# KiCad board RF_SWITCH.kicad_pcb
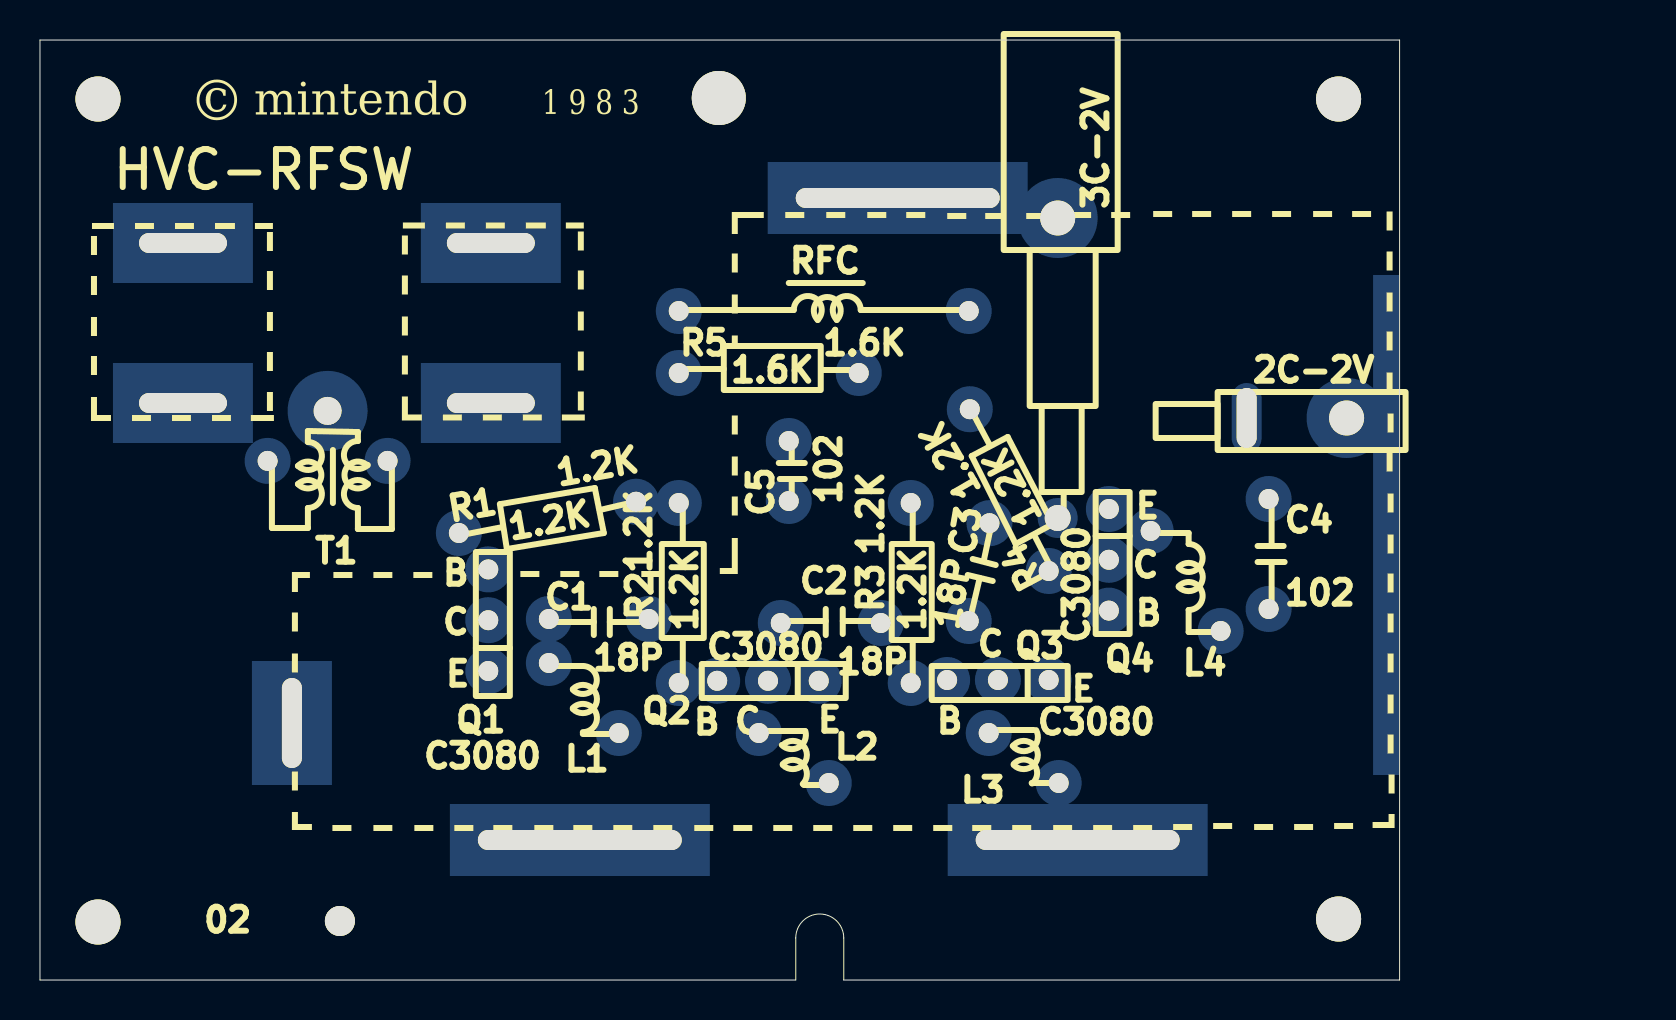
[diagram p0: board, top side]
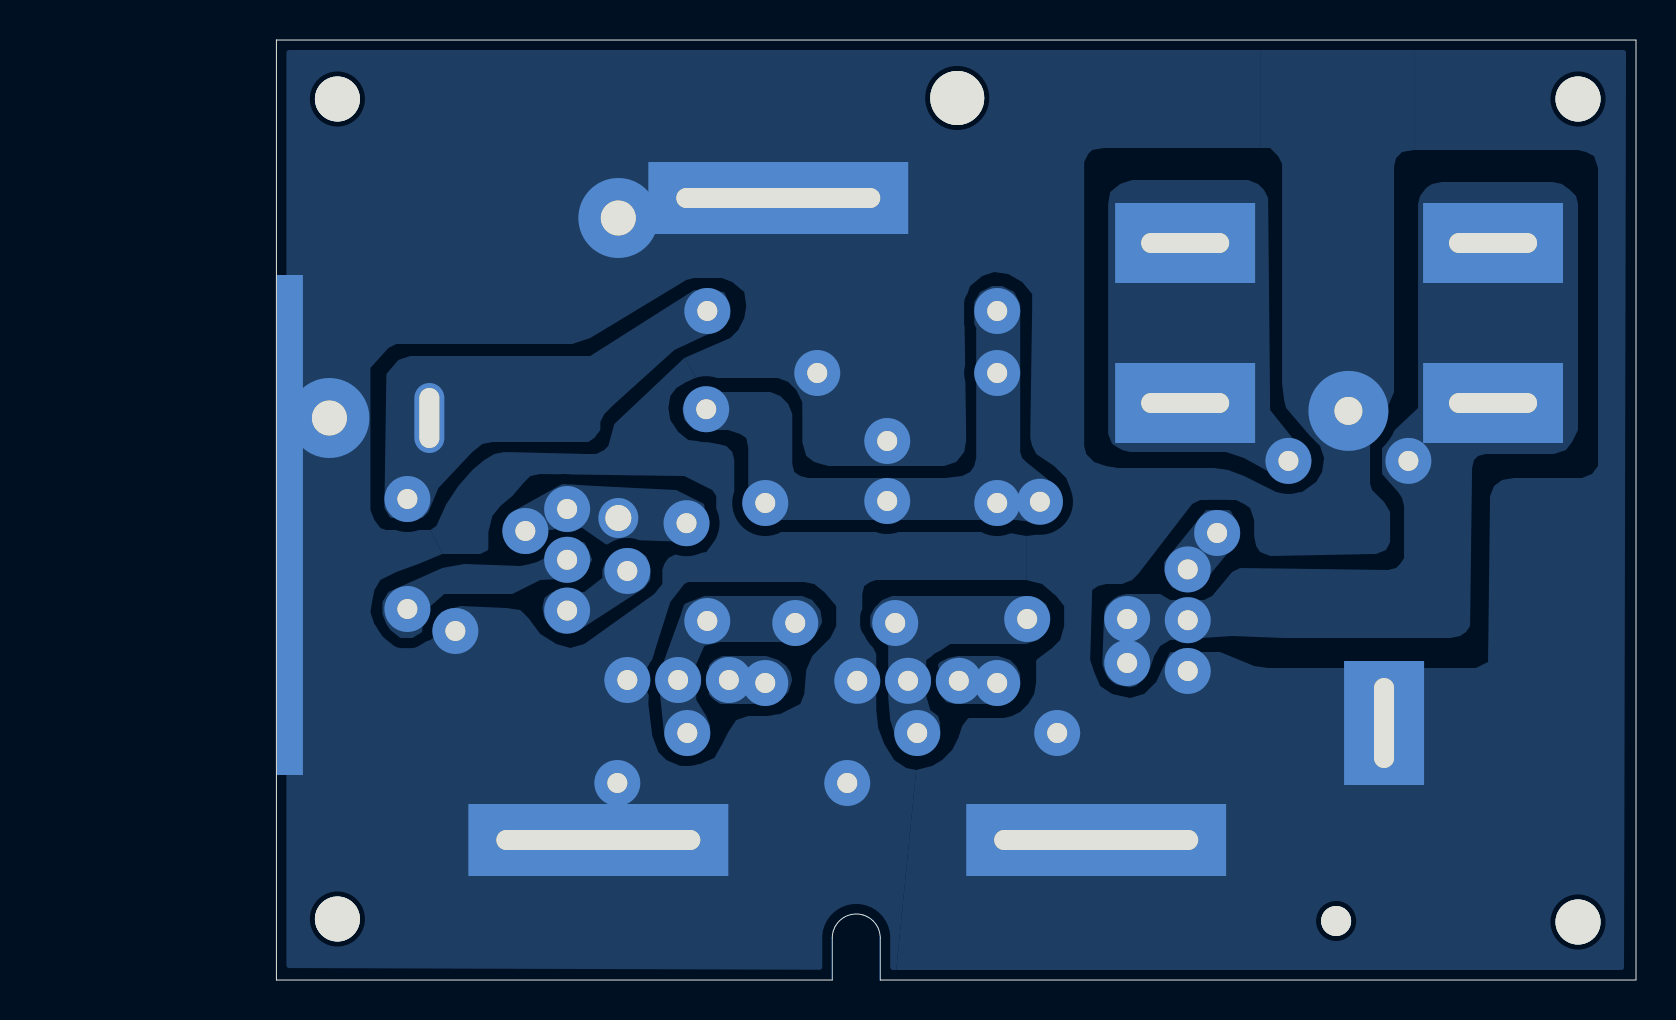
[diagram p1: board, bottom side, seen from below]

Outline 68 x 47 mm; copper layers: Top, Bottom. Coordinates in mm from the lower left corner of the outline.
Outline path: 0,47 68,47 68,0 40.2,0 40.2,2.1 arc(39,3.3) 37.8,2.1 37.8,0 0,0 0,47

## Placement (name value [footprint] x y rotation side)
C1  18pF  [C_5mm]  25.45 18.05 0 top
C2  18pF  [C_5mm]  37.05 17.85 0 top
C3  18pF  [C_5mm]  46.45 17.95 78 top
C4  1000pF  [C_5.5mm]  61.45 24.05 270 top
C5  1000pF  [C_3mm]  37.45 23.95 90 top
H1  2.25mm  [hole_2.25mm]  2.75 43.3 0 top
H2  2.7mm  [hole_2.7mm]  33.95 44.1 0 top
H3  2.25mm  [hole_2.25mm#2]  64.95 44.05 0 top
H4  2.25mm  [hole_2.25mm#2]  2.9 2.9 0 top
H5  1.5mm  [hole_1.5mm]  15 2.95 0 top
H6  2.25mm  [hole_2.25mm#2]  64.95 3.05 0 top
J1  300R_A  [terminal]  7.15 36.85 0 top
J2  300R_B  [terminal]  22.55 36.85 0 top
J3  SHIELD  [shield]  37.1 17 0 top
J4  to TV  [cable_to_tv]  50.9 23.1 90 top
J5  from Console  [cable_to_console]  60.35 28.1 0 top
L1  9 turns  [L_3.5x3.5mm]  25.45 15.85 0 top
L2  7 turns  [L_2.5x3.5mm]  35.95 12.35 0 top
L3  7 turns  [L_2.5x3.5mm]  47.45 12.35 0 top
L4  12 turns  [L_3.5x5mm]  55.55 22.45 0 top
L5  27uH  [RFC_14.5mm]  31.95 33.45 0 top
Q1  2SC3080  [Q_FTR]  22.42 15.45 90 top
Q2  2SC3080  [Q_FTR]  38.95 14.96 180 top
Q3  2SC3080  [Q_FTR]  50.45 15 180 top
Q4  2SC3080  [Q_FTR]  53.46 23.55 270 top
R1  1K2  [R_9mm]  20.95 22.35 10 top
R2  1K2  [R_9mm]  31.95 14.85 90 top
R3  1K2  [R_9mm]  43.55 14.85 90 top
R4  1K2  [R_9mm]  50.45 20.45 116 top
R5  1K6  [R_9mm]  31.95 30.35 0 top
T1  ~  [transformer]  11.39 25.95 0 top

## Library data of the parts
C1-C5 = -: Description: Unpolarized capacitor; ki_fp_filters: C_*
H1-H6 = -: Description: Mounting Hole without connection; ki_fp_filters: MountingHole*
J1-J3 = -: ki_fp_filters: TerminalBlock*:*
J4 = -: Description: coaxial connector (BNC, SMA, SMB, SMC, Cinch/RCA, LEMO, ...); ki_fp_filters: *BNC* *SMA* *SMB* *SMC* *Cinch* *LEMO* *UMRF* *MCX* *U.FL*
J5 = -: Description: RCA plug on 2.5m of coax; ki_fp_filters: *BNC* *SMA* *SMB* *SMC* *Cinch* *LEMO* *UMRF* *MCX* *U.FL*
L1-L4 = -: Description: 3mm ID, 3.8mm OD, 0.4mm wire; ki_fp_filters: Choke_* *Coil* Inductor_* L_*
L5 = -: Description: Inductor with ferrite core; ki_fp_filters: Choke_* *Coil* Inductor_* L_*
Q1-Q4 = -: Description: NPN bipolar transistor, VHF mix oscilator, UHF oscilator
R1-R5 = -: Description: Resistor; ki_fp_filters: R_*

## Footprints (pads in the part's own frame, mm; a bottom-side part is the same pattern mirrored in y, then rotated)
C_3mm
  round 2.3 hole 1: 1(0,0) 2(3,0)
C_5.5mm
  round 2.3 hole 1: 1(0,0) 2(5.5,0)
C_5mm
  round 2.3 hole 1: 1(0,0) 2(5,0)
cable_to_console
  oval 1.5x3.5 hole 1x3: 1(0,0)
  round 4 hole 1.75: 2(5,0)
cable_to_tv
  round 2 hole 1.3: 1(0,0)
  round 4 hole 1.75: 2(15,0)
hole_1.5mm
  round 2.5 hole 1.5 unplated: (0,0)
hole_2.7mm
  round 3.3 hole 2.7 unplated: (0,0)
hole_2.25mm
  round 3.3 hole 2.25 unplated: (0.15,0.75)
hole_2.25mm#2
  round 3.3 hole 2.25 unplated: (0,0)
L_2.5x3.5mm
  round 2.3 hole 1: 1(0,0) 2(3.5,-2.5)
L_3.5x3.5mm
  round 2.3 hole 1: 1(0,0) 2(3.5,-3.5)
L_3.5x5mm
  round 2.3 hole 1: 1(0,0) 2(3.5,-5)
Q_FTR
  round 2.3 hole 1: B(5.08,0) C(2.54,0) E(0,0)
R_9mm
  round 2.3 hole 1: 1(0,0) 2(9,0)
RFC_14.5mm
  round 2.3 hole 1: 1(0,0) 2(14.5,0)
shield
  rect 4x6.2 hole 1x4.5: 1(-24.5,-4.15)
  rect 13x3.6 hole 10.2x1: 1(-10.1,-10) 1(5.8,22.1) 1(14.8,-10)
  rect 1.3x25 smd far side: 1(30.225,5.75)
terminal
  rect 7x4 hole 4.4x1: 1(0,0) 1(0,-8)
transformer
  round 2.3 hole 1: 1(0,0) 2(6,0)
  round 4 hole 1.4: 3(3,2.5)

## Nets
GND: C5.2 J3.1 J4.2 J5.2 L1.2 L2.2 L3.2 L4.2 Q1.E Q2.E Q3.E R5.2 T1.3
Net-(C1-Pad2): C1.2 C2.1 L2.1 Q2.C
Net-(C2-Pad2): C2.2 C3.1 L3.1 Q3.C
Net-(C4-Pad2): C4.2 Q4.C
Net-(C5-Pad1): C5.1 L5.1 R1.2 R2.2 R3.2 R4.2 R5.1
Net-(J1-Pin_1): C1.1 J1.1 L1.1 Q1.C T1.1
Net-(J2-Pin_1): J2.1 T1.2
Net-(J4-In): C3.2 J4.1 L4.1 Q4.E
Net-(J5-In): C4.1 J5.1 L5.2
Net-(Q1-PadB): Q1.B R1.1
Net-(Q2-PadB): Q2.B R2.1
Net-(Q3-PadB): Q3.B R3.1
Net-(Q4-PadB): Q4.B R4.1

## Copper pours and planes (outline as drawn; the poured copper is in the pictures)
GND on Bottom: 30.5,22.2 31.6,22.4 43.7,22.4 44.3,22.6 44.8,22.9 45,23.3 45.1,24 45.1,26 45.2,26.4 45.5,26.7 45.9,26.8 46.5,26.9 47.4,27 47.9,27.4 48.3,28 48.4,28.6 48.3,29.2 48,29.6 47.5,29.9 47,30.1 47.6,31.1 51.1,27.8 51.4,26.7 51.6,26.5 52,26.3 52.5,26.3 56.6,26.4 57.1,26.3 57.6,26 58.2,25.5 58.9,24.7 59.5,23.8 60,22.7 60.3,22.5 59.7,21.3 57.8,21.3 57.4,21.5 57.4,22.4 57.2,23.2 56.8,23.7 56.2,24.2 55.6,24.9 55.3,25.2 54.8,25.3 47.6,25.2 46.2,24.5 46,24.2 46,22.1 46.2,21.8 46.5,21.4 47,21.3 48,21.3 48.4,21.1 48.6,20.8 48.7,20.5 48.7,19.8 47.6,19.8 47.4,19.9 41.6,19.9 41.1,19.8 40.6,19.4 40,18.7 40,17.7 38.7,17.7 38.7,19.3 38.6,19.7 38.3,19.9 38,20 30.5,20
GND on Bottom: 0.5,46.5 0.6,0.5 37,0.5 36,10.5 35.2,10.7 34.7,11 34.2,11.5 33.9,12.1 33.7,12.7 33.4,13.1 31.6,13.1 31.2,13.2 30.8,13.4 30.4,13.8 30.1,14.3 30,14.9 30,16 27.3,16 27.1,15.4 26.8,14.7 26.2,14.3 25.3,14.1 24.6,14.3 24,14.9 23.3,16.4 20.8,16.4 19.1,15.7 18.4,15.6 8,15.6 7.4,15.9 7.3,24.2 7.1,24.7 6.7,25 6.1,25.1 2.7,25.1 2.2,25.3 1.9,25.7 1.9,40.6 2.1,41.2 2.5,41.4 2.9,41.5 11.1,41.5 11.1,46.5
GND on Bottom: 36,10.5 36.5,10.6 37.1,11 37.6,11.8 37.9,12.6 38,13.5 38,16.3 38.7,17.7 40,17.7 40.3,17.1 41.2,16.2 41.5,15.5 41.6,14.3 41.8,13.8 42.8,13.3 43.6,13.2 44.4,13.2 45,13 45.4,12.4 45.7,11.8 46.1,11.1 46.8,10.8 47.8,10.7 48.5,11 48.9,11.4 49.2,12.2 49.4,13.8 49.3,15.7 49,16.7 48.3,18.9 47.6,19.8 48.7,19.8 49.1,19.3 52.6,16.8 53.3,16.6 54,16.8 54.8,17.3 55.4,18.1 55.8,18.5 56.5,18.6 58.8,18.7 59.8,18.4 59.9,17.3 60.3,17 61.2,16.7 62,16.8 62.6,17.1 63.1,17.8 63.3,18.4 63.2,19 63.1,19.5 62.8,20 62,20.4 60.9,20.8 59.7,21.3 60.3,22.5 62.5,22.5 62.8,22.6 63.1,23 63.3,23.5 63.3,30.6 68,30.6 68,0.6 37,0.5
GND on Bottom: 18.8,46.5 67.3,46.5 68,46.9 68,30.6 63.3,30.6 62.4,31.6 62,31.8 53.2,31.8 52.3,32.1 47.5,35 47.1,35.1 45.7,35.1 45.2,34.9 44.6,34.4 44.5,33.7 44.6,33.1 44.9,32.5 45.3,32.1 47.6,31.1 47,30.1 42.9,30.1 42.4,29.9 42,29.5 41.7,28.9 41.7,26.9 41.5,26.2 41.1,25.9 40.4,25.7 34.6,25.7 34,25.9 33.6,26.4 33.5,27 33.6,33.9 33.3,34.7 32.7,35.2 32.1,35.4 31.4,35.3 30.7,34.9 30.2,34.3 30.2,33.7 27.6,33.7 27.6,40.9 27.4,41.3 27.2,41.5 26.6,41.6 18.8,41.6
GND on Bottom: 11.1,46.5 11.1,41.5 11.7,41.4 12,41.1 12.1,40.7 12.1,29.4 12.4,28.7 13.3,26.9 13.3,24.8 13.2,24.5 12.6,23.9 12.3,23.4 12.3,21.9 12.5,21.5 13,21.3 18.3,21.2 18.8,21.4 19,21.7 19.1,22.2 19.1,23 19.3,23.6 19.6,23.8 20,24 21.8,24 22.2,23.8 24.9,20.3 25.2,20 25.7,19.8 26.5,19.8 26.9,19.7 27.2,19.5 27.3,16 30,16 29.2,16.6 28.8,17 28.6,17.7 28.6,18.7 29,19.2 29.7,19.8 30.5,20 30.5,22.2 29.7,22.3 29.1,22.5 28.6,23 28.3,23.7 28.3,24.6 28.5,25.1 29.1,25.7 30,26.3 30.2,26.7 30.3,27.1 30.2,33.7 27.6,33.7 27.6,26.7 27.5,26.3 27.1,25.9 26.5,25.7 25.9,25.6 21.1,25.6 20.4,25.5 19.6,25.2 18,24.4 17.5,24.3 16.7,24.4 16,24.9 15.7,25.4 15.6,26.1 15.8,26.7 16.3,27.2 17.5,28.6 17.6,29 17.7,29.8 17.7,40.8 17.9,41.2 18.3,41.6 18.8,41.6 18.8,46.5
Net-(C1-Pad2) on Bottom: 30.4,19.2 37.2,19.2 37.7,19 38.1,18.6 38.3,18.2 38.3,17.7 37.9,17.1 37.4,16.7 37.4,14.1 37.3,13 36.9,11.7 36.5,11.4 36.1,11.3 35.6,11.4 35.1,11.7 34.8,12.1 34.8,12.8 34.9,13.2 35.3,13.5 35.5,14.2 35.5,16 34.3,16.8 30.5,16.8 29.9,17 29.4,17.6 29.3,18.2 29.5,18.8 30,19.1
Net-(C2-Pad2) on Bottom: 46.6,19.2 47.6,18.8 47.8,18.2 48.6,16 48.9,15.1 48.6,12.2 48.2,11.6 47.8,11.4 47.25,11.4 46.7,11.6 46.4,12.1 46.3,12.7 46.5,13.2 47,14 47,15.8 46.6,16.7 45.8,16.9 42.1,16.9 41.2,17.1 40.9,17.5 40.7,17.9 40.8,18.5 41.2,19 41.7,19.2
Net-(C4-Pad2) on Bottom: 52.8,20.1 54.8,20 56.2,19.3 59.6,19.3 60.4,18.6 60.4,17.9 60.7,17.4 61.2,17.1 61.8,17.1 62.3,17.5 62.5,17.8 62.7,18.3 62.7,18.9 62.4,19.4 59.7,20.6 58.6,20.8 55.8,20.7 55.3,20.8 54.9,21.1 54.1,21.9 52.6,21.9 52.4,21.5 52.2,21
Net-(C5-Pad1) on Bottom: 30.5,25.9 29,24.7 28.8,24.3 28.8,23.8 29,23.5 29.5,23 30.2,22.9 31,23 43.8,23 44.4,23.7 44.4,26.6 44.5,27.1 44.8,27.3 45.4,27.5 47.1,27.5 47.6,28 47.7,28.6 47.3,29.4 46.6,29.5 45.8,29.4 43.3,29.4 42.8,29.2 42.4,28.8 42.2,28.3 42.2,25.8 42.1,25.4 41.8,25.2 41.4,25.1 34.5,25.1 33.7,25.2 33.3,25.4 33.1,25.7 33,26.1 33,32.6 33.1,32.8 33.1,33.9 32.8,34.4 32.2,34.7 31.7,34.7 31.1,34.4 30.8,33.8 30.8,26.4 30.7,26.1
Net-(J1-Pin_1) on Bottom: 2.9,38.8 3,39.2 3.3,39.5 3.7,39.8 4.2,39.9 9.7,39.9 10.2,39.8 10.5,39.6 10.8,39.2 10.9,38.8 10.9,28.6 12.7,26.9 12.7,25.3 11.9,24.4 11.7,24.1 11.6,23.7 11.6,21.1 11.8,20.8 12,20.6 12.4,20.5 19.8,20.6 20.2,20.4 21.2,19.2 21.6,19 23.3,19 23.8,19.3 25.5,19.3 25.9,19.2 26.2,19 26.5,18.7 26.6,18.4 26.7,15.6 26.4,15.1 26,14.7 25.5,14.6 25,14.7 24.6,15.1 24.3,15.6 24.1,16.2 23.8,16.7 23.3,17 20.2,17.2 17.6,17.1 9.3,17.1 8.8,17.2 8.5,17.4 8.3,17.7 8.2,25.6 8.1,26 7.9,26.2 7.5,26.3 4.1,26.3 3.5,26.5 3.2,26.9 2.9,27.5
Net-(J2-Pin_1) on Bottom: 19.4,40 25.2,40 25.8,39.8 26.3,39.4 26.4,38.8 26.4,27.3 26.2,26.8 25.7,26.5 25.3,26.4 20.5,26.4 19.6,26.1 17.8,25.1 17.2,25.1 16.8,25.4 16.5,25.8 16.5,26.2 16.7,26.5 18.3,28.5 18.4,39.1 18.6,39.5 18.9,39.8
Net-(J4-In) on Bottom: 48,24.5 46.6,23.8 46.5,22.3 46.9,22 47.3,21.9 50.2,22 51.4,21.7 52.7,22.6 54.4,22.5 55.2,21.5 55.8,21.4 56.5,21.8 56.7,22.5 56.4,23.3 53.7,24.8 52,24.7
Net-(J5-In) on Bottom: 61.3,31.2 61.9,31 62.5,30.3 62.6,23.6 62.3,23.1 60.7,23.1 60.4,23.4 59.9,24.6 58.2,26.4 57.7,26.8 57.2,26.9 52.4,26.9 52.1,27.1 51.8,27.5 51.8,27.9 51.6,28.3 51.2,28.7 48.1,31.5 46.6,32.2 45.8,32.5 45.3,33.1 45.3,33.7 45.6,34.4 47.1,34.5 52.3,31.2
Net-(Q1-PadB) on Bottom: 20.3,23.5 21.5,23.5 23.6,20.9 23.6,20.4 23.2,19.6 21.7,19.6 21.2,20.4 19.8,22.1 19.8,22.6
Net-(Q2-PadB) on Bottom: 31.9,16.2 33.9,16.2 34.4,16.1 34.8,15.9 34.9,15.8 34.9,14.4 34.5,13.9 34.1,13.8 31.9,13.8 31.4,13.9 31,14.3 30.8,14.7 30.8,15.3 31,15.7 31.3,16
Net-(Q3-PadB) on Bottom: 43.5,16.2 42.9,16 42.5,15.7 42.3,15.4 42.2,15 42.4,14.4 42.7,14.1 43.2,13.8 45.8,13.8 46.1,14 46.5,14.4 46.5,15.6 46.1,16 45.7,16.2
Net-(Q4-PadB) on Bottom: 49.9,21.4 51.5,21 51.7,20.5 51.7,20.1 52.6,19.4 54.2,19.4 54.6,19.1 54.7,18.6 54.6,18.1 54.3,17.7 54,17.4 53.6,17.3 53,17.4 49.6,19.6 49.3,20 49.3,20.6 49.5,21.2

## Text on the board
F.Silkscreen: 02 | T1 | C3080 | B | C | E | Q1 | C1 | L1 | 18P | Q2 | R5 | 1.6K | RFC | C2 | L2 | L3 | Q3 | Q4 | L4 | 2C-2V | C4 | 102 | R1 | 1.2K | C3 | R2 | C5 | R3 | 3C-2V | R4 | HVC-RFSW | 1 9 8 3 | mintendo | ©
